# EAGLE board RedBoard-GiantPanel-v21 (EAGLE 6.5.0), part 4 of 4
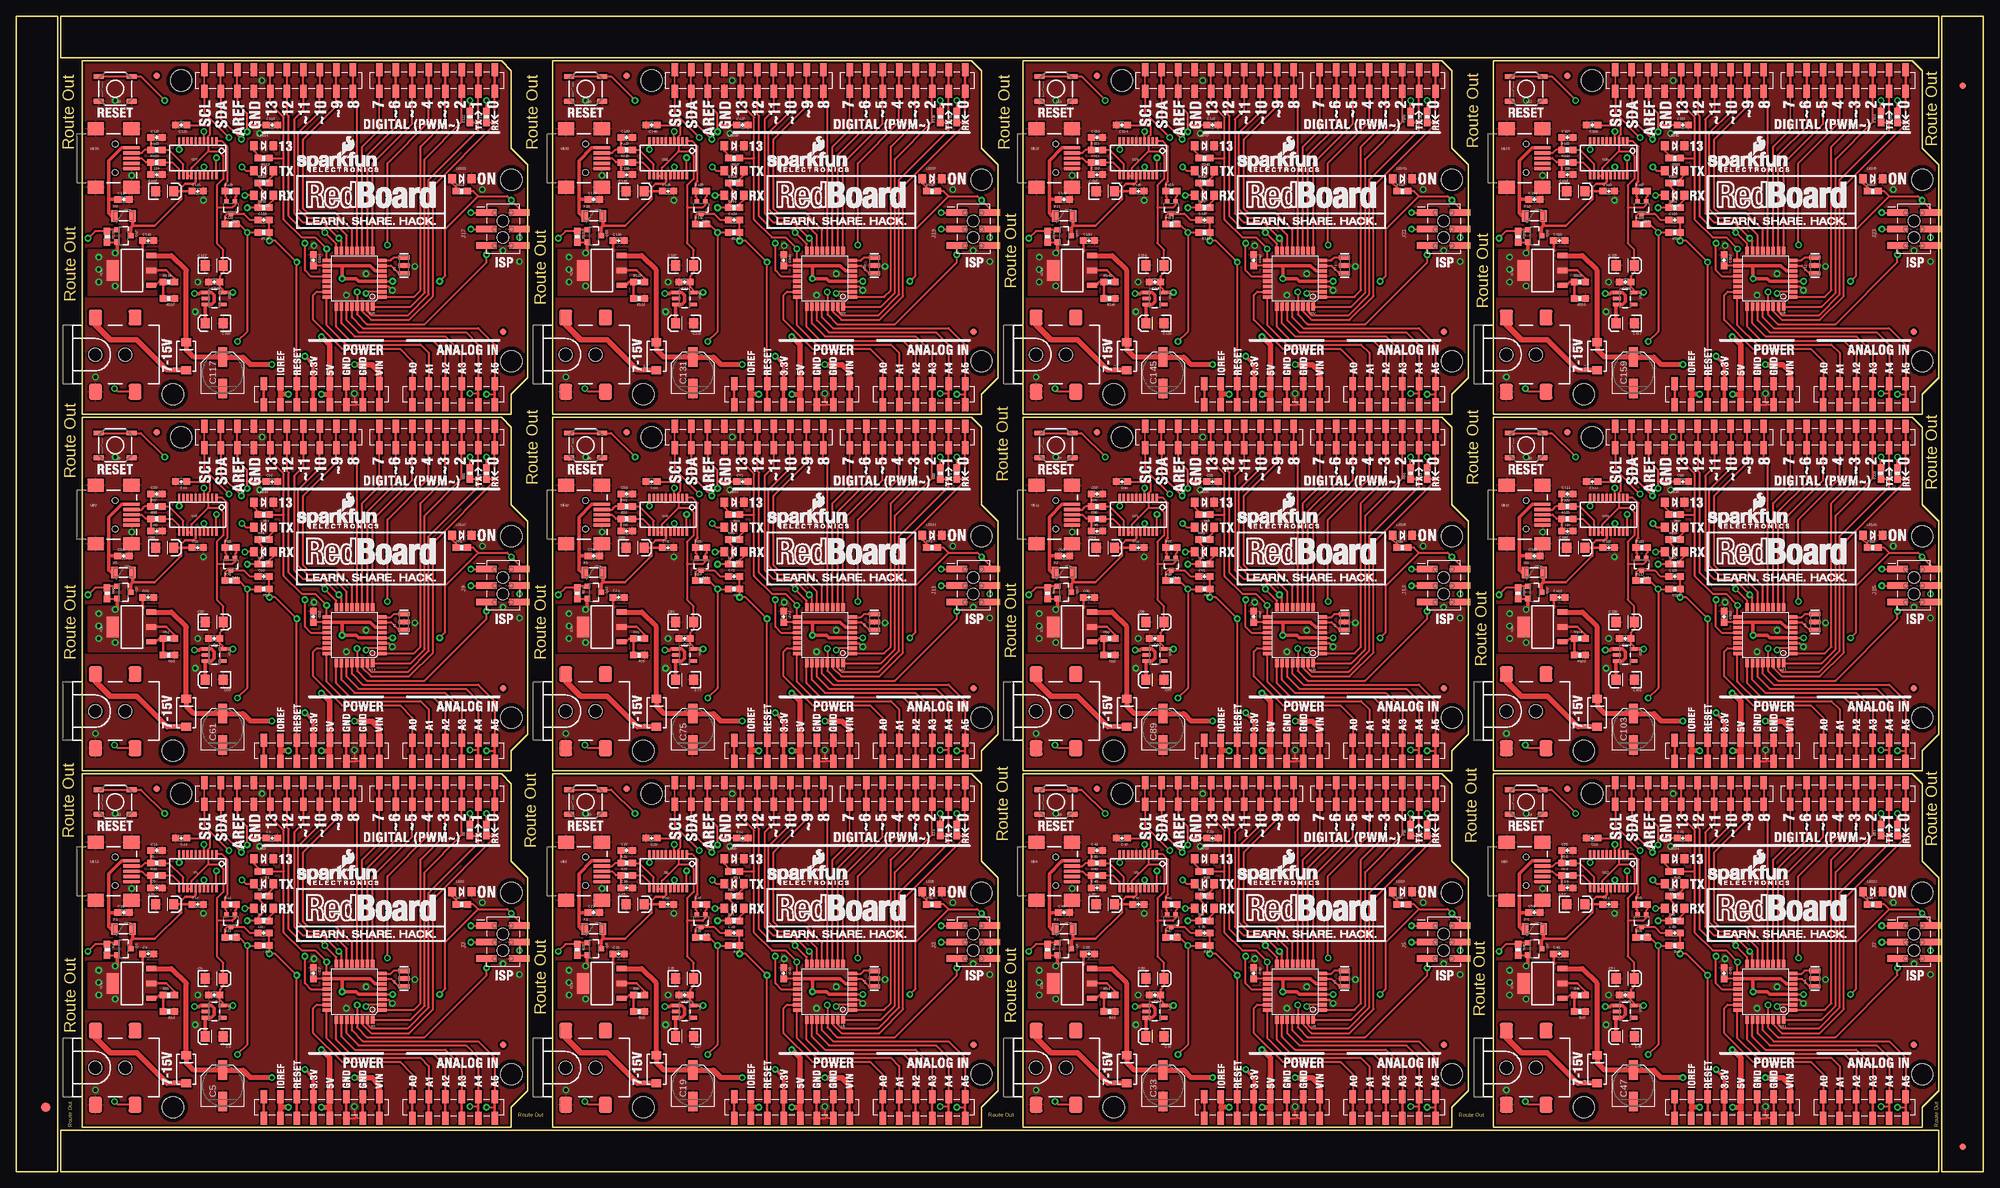
[diagram p0: board, top side]
## Tracks (layer width: path | path; a pad name or v marks a point on that pad's centre or on a via) (continued)
PWRIN3
  Top 0.762: D4.A 240.4,13.6 235.71,18.29
  Top 0.813: 235.71,18.29 231.65,18.29 229.36,20.57 J8.VIN0
PWRIN4
  Top 0.762: D5.A 23.23,68.46 18.54,73.15
  Top 0.813: 18.54,73.15 14.48,73.15 12.19,75.44 J10.VIN0
PWRIN5
  Top 0.762: D6.A 95.62,68.46 90.93,73.15
  Top 0.813: 90.93,73.15 86.87,73.15 84.58,75.44 J12.VIN0
PWRIN6
  Top 0.762: D7.A 168.01,68.46 163.32,73.15
  Top 0.813: 163.32,73.15 159.26,73.15 156.97,75.44 J14.VIN0
PWRIN7
  Top 0.762: D8.A 240.4,68.46 235.71,73.15
  Top 0.813: 235.71,73.15 231.65,73.15 229.36,75.44 J16.VIN0
PWRIN8
  Top 0.762: D9.A 23.23,123.33 18.54,128.02
  Top 0.813: 18.54,128.02 14.48,128.02 12.19,130.3 J18.VIN0
PWRIN9
  Top 0.762: D10.A 95.62,123.33 90.93,128.02
  Top 0.813: 90.93,128.02 86.87,128.02 84.58,130.3 J20.VIN0
PWRIN10
  Top 0.762: D11.A 168.01,123.33 163.32,128.02
  Top 0.813: 163.32,128.02 159.26,128.02 156.97,130.3 J22.VIN0
PWRIN11
  Top 0.762: D12.A 240.4,123.33 235.71,128.02
  Top 0.813: 235.71,128.02 231.65,128.02 229.36,130.3 J24.VIN0
RESET  (via drill 0.51)
  Top 0.305: v52.47,25.64 U3.29 52.47,22.21 53.98,20.7 62.87,20.7 72.39,30.23 v72.39,31.37 J2.5 73.15,32.77 | S1.4 S1.3 19.18,58.8 v22.86,55.12 | 43.18,8.26 JP10.6 v43.18,30.23 39.88,33.53 v38.95,33.53 R3.1 C8.2
  Bottom 0.305: v52.47,25.64 52.47,28.56 50.8,30.23 v43.18,30.23 | v22.86,55.12 22.86,43.69 33.02,33.53 v38.95,33.53 | TP6.P$1 72.9,32.77 72.39,32.26 v72.39,31.37
RESET1  (via drill 0.51)
  Top 0.305: v124.86,25.64 U5.29 124.86,22.21 126.36,20.7 135.25,20.7 144.78,30.23 v144.78,31.37 J3.5 145.54,32.77 | S2.4 S2.3 91.57,58.8 v95.25,55.12 | 115.57,8.26 JP18.6 v115.57,30.23 112.27,33.53 v111.34,33.53 R17.1 C21.2
  Bottom 0.305: v124.86,25.64 124.86,28.56 123.19,30.23 v115.57,30.23 | v95.25,55.12 95.25,43.69 105.41,33.53 v111.34,33.53 | TP12.P$1 145.29,32.77 144.78,32.26 v144.78,31.37
RESET2  (via drill 0.51)
  Top 0.305: v197.25,25.64 U8.29 197.25,22.21 198.75,20.7 207.65,20.7 217.17,30.23 v217.17,31.37 J5.5 217.93,32.77 | S3.4 S3.3 163.96,58.8 v167.64,55.12 | 187.96,8.26 JP28.6 v187.96,30.23 184.66,33.53 v183.73,33.53 R31.1 C35.2
  Bottom 0.305: v197.25,25.64 197.25,28.56 195.58,30.23 v187.96,30.23 | v167.64,55.12 167.64,43.69 177.8,33.53 v183.73,33.53 | TP18.P$1 217.68,32.77 217.17,32.26 v217.17,31.37
RESET3  (via drill 0.51)
  Top 0.305: v269.64,25.64 U11.29 269.64,22.21 271.14,20.7 280.04,20.7 289.56,30.23 v289.56,31.37 J7.5 290.32,32.77 | S4.4 S4.3 236.35,58.8 v240.03,55.12 | 260.35,8.26 JP38.6 v260.35,30.23 257.05,33.53 v256.12,33.53 R45.1 C49.2
  Bottom 0.305: v269.64,25.64 269.64,28.56 267.97,30.23 v260.35,30.23 | v240.03,55.12 240.03,43.69 250.19,33.53 v256.12,33.53 | TP24.P$1 290.07,32.77 289.56,32.26 v289.56,31.37
RESET4  (via drill 0.51)
  Top 0.305: v52.47,80.5 U14.29 52.47,77.07 53.98,75.56 62.87,75.56 72.39,85.09 v72.39,86.23 J9.5 73.15,87.63 | S5.4 S5.3 19.18,113.67 v22.86,109.98 | 43.18,63.12 JP48.6 v43.18,85.09 39.88,88.39 v38.95,88.39 R59.1 C63.2
  Bottom 0.305: v52.47,80.5 52.47,83.42 50.8,85.09 v43.18,85.09 | v22.86,109.98 22.86,98.55 33.02,88.39 v38.95,88.39 | TP30.P$1 72.9,87.63 72.39,87.12 v72.39,86.23
RESET5  (via drill 0.51)
  Top 0.305: v124.86,80.5 U17.29 124.86,77.07 126.36,75.56 135.25,75.56 144.78,85.09 v144.78,86.23 J11.5 145.54,87.63 | S6.4 S6.3 91.57,113.67 v95.25,109.98 | 115.57,63.12 JP58.6 v115.57,85.09 112.27,88.39 v111.34,88.39 R73.1 C77.2
  Bottom 0.305: v124.86,80.5 124.86,83.42 123.19,85.09 v115.57,85.09 | v95.25,109.98 95.25,98.55 105.41,88.39 v111.34,88.39 | TP36.P$1 145.29,87.63 144.78,87.12 v144.78,86.23
RESET6  (via drill 0.51)
  Top 0.305: v197.25,80.5 U20.29 197.25,77.07 198.75,75.56 207.65,75.56 217.17,85.09 v217.17,86.23 J13.5 217.93,87.63 | S7.4 S7.3 163.96,113.67 v167.64,109.98 | 187.96,63.12 JP68.6 v187.96,85.09 184.66,88.39 v183.73,88.39 R87.1 C91.2
  Bottom 0.305: v197.25,80.5 197.25,83.42 195.58,85.09 v187.96,85.09 | v167.64,109.98 167.64,98.55 177.8,88.39 v183.73,88.39 | TP42.P$1 217.68,87.63 217.17,87.12 v217.17,86.23
RESET7  (via drill 0.51)
  Top 0.305: v269.64,80.5 U23.29 269.64,77.07 271.14,75.56 280.04,75.56 289.56,85.09 v289.56,86.23 J15.5 290.32,87.63 | S8.4 S8.3 236.35,113.67 v240.03,109.98 | 260.35,63.12 JP78.6 v260.35,85.09 257.05,88.39 v256.12,88.39 R101.1 C105.2
  Bottom 0.305: v269.64,80.5 269.64,83.42 267.97,85.09 v260.35,85.09 | v240.03,109.98 240.03,98.55 250.19,88.39 v256.12,88.39 | TP48.P$1 290.07,87.63 289.56,87.12 v289.56,86.23
RESET8  (via drill 0.51)
  Top 0.305: v52.47,135.36 U26.29 52.47,131.93 53.98,130.43 62.87,130.43 72.39,139.95 v72.39,141.1 J17.5 73.15,142.49 | S9.4 S9.3 19.18,168.53 v22.86,164.85 | 43.18,117.98 JP88.6 v43.18,139.95 39.88,143.26 v38.95,143.26 R115.1 C119.2
  Bottom 0.305: v52.47,135.36 52.47,138.28 50.8,139.95 v43.18,139.95 | v22.86,164.85 22.86,153.42 33.02,143.26 v38.95,143.26 | TP54.P$1 72.9,142.49 72.39,141.99 v72.39,141.1
RESET9  (via drill 0.51)
  Top 0.305: v124.86,135.36 U29.29 124.86,131.93 126.36,130.43 135.25,130.43 144.78,139.95 v144.78,141.1 J19.5 145.54,142.49 | S10.4 S10.3 91.57,168.53 v95.25,164.85 | 115.57,117.98 JP98.6 v115.57,139.95 112.27,143.26 v111.34,143.26 R129.1 C133.2
  Bottom 0.305: v124.86,135.36 124.86,138.28 123.19,139.95 v115.57,139.95 | v95.25,164.85 95.25,153.42 105.41,143.26 v111.34,143.26 | TP60.P$1 145.29,142.49 144.78,141.99 v144.78,141.1
RESET10  (via drill 0.51)
  Top 0.305: v197.25,135.36 U32.29 197.25,131.93 198.75,130.43 207.65,130.43 217.17,139.95 v217.17,141.1 J21.5 217.93,142.49 | S11.4 S11.3 163.96,168.53 v167.64,164.85 | 187.96,117.98 JP108.6 v187.96,139.95 184.66,143.26 v183.73,143.26 R143.1 C147.2
  Bottom 0.305: v197.25,135.36 197.25,138.28 195.58,139.95 v187.96,139.95 | v167.64,164.85 167.64,153.42 177.8,143.26 v183.73,143.26 | TP66.P$1 217.68,142.49 217.17,141.99 v217.17,141.1
RESET11  (via drill 0.51)
  Top 0.305: v269.64,135.36 U35.29 269.64,131.93 271.14,130.43 280.04,130.43 289.56,139.95 v289.56,141.1 J23.5 290.32,142.49 | S12.4 S12.3 236.35,168.53 v240.03,164.85 | 260.35,117.98 JP118.6 v260.35,139.95 257.05,143.26 v256.12,143.26 R157.1 C161.2
  Bottom 0.305: v269.64,135.36 269.64,138.28 267.97,139.95 v260.35,139.95 | v240.03,164.85 240.03,153.42 250.19,143.26 v256.12,143.26 | TP72.P$1 290.07,142.49 289.56,141.99 v289.56,141.1
RX-I
  Top 0.254: 73.66,53.72 73.67,53.74
  Top 0.305: 73.66,51.69 73.66,51.44 64.14,41.91 64.14,25.02 60.45,21.34 54.61,21.34 53.27,22.68 U3.30 | 73.66,51.69 73.66,53.72 IOL.1 | R8.1 73.62,51.73 73.66,51.69
RX-I1
  Top 0.254: 146.05,53.72 146.06,53.74
  Top 0.305: 146.05,51.69 146.05,51.44 136.53,41.91 136.53,25.02 132.84,21.34 127,21.34 125.66,22.68 U5.30 | 146.05,51.69 146.05,53.72 IOL1.1 | R23.1 146.01,51.73 146.05,51.69
RX-I2
  Top 0.254: 218.44,53.72 218.46,53.74
  Top 0.305: 218.44,51.69 218.44,51.44 208.91,41.91 208.91,25.02 205.23,21.34 199.39,21.34 198.05,22.68 U8.30 | 218.44,51.69 218.44,53.72 IOL2.1 | R37.1 218.4,51.73 218.44,51.69
RX-I3
  Top 0.254: 290.83,53.72 290.85,53.74
  Top 0.305: 290.83,51.69 290.83,51.44 281.31,41.91 281.31,25.02 277.62,21.34 271.78,21.34 270.44,22.68 U11.30 | 290.83,51.69 290.83,53.72 IOL3.1 | R51.1 290.79,51.73 290.83,51.69
RX-I4
  Top 0.254: 73.66,108.58 73.67,108.6
  Top 0.305: 73.66,106.55 73.66,106.3 64.14,96.77 64.14,79.88 60.45,76.2 54.61,76.2 53.27,77.54 U14.30 | 73.66,106.55 73.66,108.58 IOL4.1 | R65.1 73.62,106.59 73.66,106.55
RX-I5
  Top 0.254: 146.05,108.58 146.06,108.6
  Top 0.305: 146.05,106.55 146.05,106.3 136.53,96.77 136.53,79.88 132.84,76.2 127,76.2 125.66,77.54 U17.30 | 146.05,106.55 146.05,108.58 IOL5.1 | R79.1 146.01,106.59 146.05,106.55
RX-I6
  Top 0.254: 218.44,108.58 218.46,108.6
  Top 0.305: 218.44,106.55 218.44,106.3 208.91,96.77 208.91,79.88 205.23,76.2 199.39,76.2 198.05,77.54 U20.30 | 218.44,106.55 218.44,108.58 IOL6.1 | R93.1 218.4,106.59 218.44,106.55
RX-I7
  Top 0.254: 290.83,108.58 290.85,108.6
  Top 0.305: 290.83,106.55 290.83,106.3 281.31,96.77 281.31,79.88 277.62,76.2 271.78,76.2 270.44,77.54 U23.30 | 290.83,106.55 290.83,108.58 IOL7.1 | R107.1 290.79,106.59 290.83,106.55
RX-I8
  Top 0.254: 73.66,163.45 73.67,163.46
  Top 0.305: 73.66,161.42 73.66,161.16 64.14,151.64 64.14,134.75 60.45,131.06 54.61,131.06 53.27,132.4 U26.30 | 73.66,161.42 73.66,163.45 IOL8.1 | R121.1 73.62,161.46 73.66,161.42
RX-I9
  Top 0.254: 146.05,163.45 146.06,163.46
  Top 0.305: 146.05,161.42 146.05,161.16 136.53,151.64 136.53,134.75 132.84,131.06 127,131.06 125.66,132.4 U29.30 | 146.05,161.42 146.05,163.45 IOL9.1 | R135.1 146.01,161.46 146.05,161.42
RX-I10
  Top 0.254: 218.44,163.45 218.46,163.46
  Top 0.305: 218.44,161.42 218.44,161.16 208.91,151.64 208.91,134.75 205.23,131.06 199.39,131.06 198.05,132.4 U32.30 | 218.44,161.42 218.44,163.45 IOL10.1 | R149.1 218.4,161.46 218.44,161.42
RX-I11
  Top 0.254: 290.83,163.45 290.85,163.46
  Top 0.305: 290.83,161.42 290.83,161.16 281.31,151.64 281.31,134.75 277.62,131.06 271.78,131.06 270.44,132.4 U35.30 | 290.83,161.42 290.83,163.45 IOL11.1 | R163.1 290.79,161.46 290.83,161.42
RXD  (via drill 0.51)
  Top 0.305: R9.2 v69.85,55.12 | U1.4 v28.89,50.35
  Bottom 0.305: v69.85,55.12 33.66,55.12 v28.89,50.35
RXD1  (via drill 0.51)
  Top 0.305: R24.2 v142.24,55.12 | U6.4 v101.28,50.35
  Bottom 0.305: v142.24,55.12 106.05,55.12 v101.28,50.35
RXD2  (via drill 0.51)
  Top 0.305: R38.2 v214.63,55.12 | U9.4 v173.67,50.35
  Bottom 0.305: v214.63,55.12 178.44,55.12 v173.67,50.35
RXD3  (via drill 0.51)
  Top 0.305: R52.2 v287.02,55.12 | U12.4 v246.06,50.35
  Bottom 0.305: v287.02,55.12 250.82,55.12 v246.06,50.35
RXD4  (via drill 0.51)
  Top 0.305: R66.2 v69.85,109.98 | U15.4 v28.89,105.22
  Bottom 0.305: v69.85,109.98 33.66,109.98 v28.89,105.22
RXD5  (via drill 0.51)
  Top 0.305: R80.2 v142.24,109.98 | U18.4 v101.28,105.22
  Bottom 0.305: v142.24,109.98 106.05,109.98 v101.28,105.22
RXD6  (via drill 0.51)
  Top 0.305: R94.2 v214.63,109.98 | U21.4 v173.67,105.22
  Bottom 0.305: v214.63,109.98 178.44,109.98 v173.67,105.22
RXD7  (via drill 0.51)
  Top 0.305: R108.2 v287.02,109.98 | U24.4 v246.06,105.22
  Bottom 0.305: v287.02,109.98 250.82,109.98 v246.06,105.22
RXD8  (via drill 0.51)
  Top 0.305: R122.2 v69.85,164.85 | U27.4 v28.89,160.08
  Bottom 0.305: v69.85,164.85 33.66,164.85 v28.89,160.08
RXD9  (via drill 0.51)
  Top 0.305: R136.2 v142.24,164.85 | U30.4 v101.28,160.08
  Bottom 0.305: v142.24,164.85 106.05,164.85 v101.28,160.08
RXD10  (via drill 0.51)
  Top 0.305: R150.2 v214.63,164.85 | U33.4 v173.67,160.08
  Bottom 0.305: v214.63,164.85 178.44,164.85 v173.67,160.08
RXD11  (via drill 0.51)
  Top 0.305: R164.2 v287.02,164.85 | U36.4 v246.06,160.08
  Bottom 0.305: v287.02,164.85 250.82,164.85 v246.06,160.08
RXLED  (via drill 0.51)
  Top 0.305: U1.17 v28.89,44.9 | v34.73,44.9 35.31,44.32 LED4.C
  Bottom 0.305: v28.89,44.9 v34.73,44.9
RXLED1  (via drill 0.51)
  Top 0.305: U6.17 v101.28,44.9 | v107.12,44.9 107.7,44.32 LED7.C
  Bottom 0.305: v101.28,44.9 v107.12,44.9
RXLED2  (via drill 0.51)
  Top 0.305: U9.17 v173.67,44.9 | v179.51,44.9 180.09,44.32 LED11.C
  Bottom 0.305: v173.67,44.9 v179.51,44.9
RXLED3  (via drill 0.51)
  Top 0.305: U12.17 v246.06,44.9 | v251.91,44.9 252.48,44.32 LED15.C
  Bottom 0.305: v246.06,44.9 v251.91,44.9
RXLED4  (via drill 0.51)
  Top 0.305: U15.17 v28.89,99.76 | v34.73,99.76 35.31,99.19 LED19.C
  Bottom 0.305: v28.89,99.76 v34.73,99.76
RXLED5  (via drill 0.51)
  Top 0.305: U18.17 v101.28,99.76 | v107.12,99.76 107.7,99.19 LED23.C
  Bottom 0.305: v101.28,99.76 v107.12,99.76
RXLED6  (via drill 0.51)
  Top 0.305: U21.17 v173.67,99.76 | v179.51,99.76 180.09,99.19 LED27.C
  Bottom 0.305: v173.67,99.76 v179.51,99.76
RXLED7  (via drill 0.51)
  Top 0.305: U24.17 v246.06,99.76 | v251.91,99.76 252.48,99.19 LED31.C
  Bottom 0.305: v246.06,99.76 v251.91,99.76
RXLED8  (via drill 0.51)
  Top 0.305: U27.17 v28.89,154.62 | v34.73,154.62 35.31,154.05 LED35.C
  Bottom 0.305: v28.89,154.62 v34.73,154.62
RXLED9  (via drill 0.51)
  Top 0.305: U30.17 v101.28,154.62 | v107.12,154.62 107.7,154.05 LED39.C
  Bottom 0.305: v101.28,154.62 v107.12,154.62
RXLED10  (via drill 0.51)
  Top 0.305: U33.17 v173.67,154.62 | v179.51,154.62 180.09,154.05 LED43.C
  Bottom 0.305: v173.67,154.62 v179.51,154.62
RXLED11  (via drill 0.51)
  Top 0.305: U36.17 v246.06,154.62 | v251.91,154.62 252.48,154.05 LED47.C
  Bottom 0.305: v246.06,154.62 v251.91,154.62
SCK  (via drill 0.51)
  Top 0.305: U3.17 v47.78,32.28 46.02,34.04 43.94,34.04 41.2,36.78 41.2,46.23 | JP2.5A JP2.5B 39.12,54.61 41.2,52.53 41.2,46.23 | R1.1 41.2,46.23 | v69.98,35.31 J2.3
  Bottom 0.305: v47.78,32.28 47.78,33.43 49.66,35.31 v69.98,35.31 TP5.P$1
SCK1  (via drill 0.51)
  Top 0.305: U5.17 v120.17,32.28 118.42,34.04 116.33,34.04 113.59,36.78 113.59,46.23 | JP17.5A JP17.5B 111.51,54.61 113.59,52.53 113.59,46.23 | R13.1 113.59,46.23 | v142.37,35.31 J3.3
  Bottom 0.305: v120.17,32.28 120.17,33.43 122.05,35.31 v142.37,35.31 TP11.P$1
SCK2  (via drill 0.51)
  Top 0.305: U8.17 v192.56,32.28 190.81,34.04 188.72,34.04 185.98,36.78 185.98,46.23 | JP27.5A JP27.5B 183.9,54.61 185.98,52.53 185.98,46.23 | R29.1 185.98,46.23 | v214.76,35.31 J5.3
  Bottom 0.305: v192.56,32.28 192.56,33.43 194.44,35.31 v214.76,35.31 TP17.P$1
SCK3  (via drill 0.51)
  Top 0.305: U11.17 v264.95,32.28 263.19,34.04 261.11,34.04 258.37,36.78 258.37,46.23 | JP37.5A JP37.5B 256.29,54.61 258.37,52.53 258.37,46.23 | R43.1 258.37,46.23 | v287.15,35.31 J7.3
  Bottom 0.305: v264.95,32.28 264.95,33.43 266.83,35.31 v287.15,35.31 TP23.P$1
SCK4  (via drill 0.51)
  Top 0.305: U14.17 v47.78,87.15 46.02,88.9 43.94,88.9 41.2,91.64 41.2,101.09 | JP47.5A JP47.5B 39.12,109.47 41.2,107.39 41.2,101.09 | R57.1 41.2,101.09 | v69.98,90.17 J9.3
  Bottom 0.305: v47.78,87.15 47.78,88.29 49.66,90.17 v69.98,90.17 TP29.P$1
SCK5  (via drill 0.51)
  Top 0.305: U17.17 v120.17,87.15 118.42,88.9 116.33,88.9 113.59,91.64 113.59,101.09 | JP57.5A JP57.5B 111.51,109.47 113.59,107.39 113.59,101.09 | R71.1 113.59,101.09 | v142.37,90.17 J11.3
  Bottom 0.305: v120.17,87.15 120.17,88.29 122.05,90.17 v142.37,90.17 TP35.P$1
SCK6  (via drill 0.51)
  Top 0.305: U20.17 v192.56,87.15 190.81,88.9 188.72,88.9 185.98,91.64 185.98,101.09 | JP67.5A JP67.5B 183.9,109.47 185.98,107.39 185.98,101.09 | R85.1 185.98,101.09 | v214.76,90.17 J13.3
  Bottom 0.305: v192.56,87.15 192.56,88.29 194.44,90.17 v214.76,90.17 TP41.P$1
SCK7  (via drill 0.51)
  Top 0.305: U23.17 v264.95,87.15 263.19,88.9 261.11,88.9 258.37,91.64 258.37,101.09 | JP77.5A JP77.5B 256.29,109.47 258.37,107.39 258.37,101.09 | R99.1 258.37,101.09 | v287.15,90.17 J15.3
  Bottom 0.305: v264.95,87.15 264.95,88.29 266.83,90.17 v287.15,90.17 TP47.P$1
SCK8  (via drill 0.51)
  Top 0.305: U26.17 v47.78,142.01 46.02,143.76 43.94,143.76 41.2,146.51 41.2,155.96 | JP87.5A JP87.5B 39.12,164.34 41.2,162.25 41.2,155.96 | R113.1 41.2,155.96 | v69.98,145.03 J17.3
  Bottom 0.305: v47.78,142.01 47.78,143.15 49.66,145.03 v69.98,145.03 TP53.P$1
SCK9  (via drill 0.51)
  Top 0.305: U29.17 v120.17,142.01 118.42,143.76 116.33,143.76 113.59,146.51 113.59,155.96 | JP97.5A JP97.5B 111.51,164.34 113.59,162.25 113.59,155.96 | R127.1 113.59,155.96 | v142.37,145.03 J19.3
  Bottom 0.305: v120.17,142.01 120.17,143.15 122.05,145.03 v142.37,145.03 TP59.P$1
SCK10  (via drill 0.51)
  Top 0.305: U32.17 v192.56,142.01 190.81,143.76 188.72,143.76 185.98,146.51 185.98,155.96 | JP107.5A JP107.5B 183.9,164.34 185.98,162.25 185.98,155.96 | R141.1 185.98,155.96 | v214.76,145.03 J21.3
  Bottom 0.305: v192.56,142.01 192.56,143.15 194.44,145.03 v214.76,145.03 TP65.P$1
SCK11  (via drill 0.51)
  Top 0.305: U35.17 v264.95,142.01 263.19,143.76 261.11,143.76 258.37,146.51 258.37,155.96 | JP117.5A JP117.5B 256.29,164.34 258.37,162.25 258.37,155.96 | R155.1 258.37,155.96 | v287.15,145.03 J23.3
  Bottom 0.305: v264.95,142.01 264.95,143.15 266.83,145.03 v287.15,145.03 TP71.P$1
SS
  Top 0.305: U3.14 50.87,34.35 48.26,36.96 44.83,36.96 43.43,38.35 43.43,50.11 46.74,53.41 JP2.8B JP2.8A
SS1
  Top 0.305: U5.14 123.26,34.35 120.65,36.96 117.22,36.96 115.82,38.35 115.82,50.11 119.13,53.41 JP17.8B JP17.8A
SS2
  Top 0.305: U8.14 195.65,34.35 193.04,36.96 189.61,36.96 188.21,38.35 188.21,50.11 191.52,53.41 JP27.8B JP27.8A
SS3
  Top 0.305: U11.14 268.04,34.35 265.43,36.96 262,36.96 260.6,38.35 260.6,50.11 263.91,53.41 JP37.8B JP37.8A
SS4
  Top 0.305: U14.14 50.87,89.21 48.26,91.82 44.83,91.82 43.43,93.22 43.43,104.97 46.74,108.27 JP47.8B JP47.8A
SS5
  Top 0.305: U17.14 123.26,89.21 120.65,91.82 117.22,91.82 115.82,93.22 115.82,104.97 119.13,108.27 JP57.8B JP57.8A
SS6
  Top 0.305: U20.14 195.65,89.21 193.04,91.82 189.61,91.82 188.21,93.22 188.21,104.97 191.52,108.27 JP67.8B JP67.8A
SS7
  Top 0.305: U23.14 268.04,89.21 265.43,91.82 262,91.82 260.6,93.22 260.6,104.97 263.91,108.27 JP77.8B JP77.8A
SS8
  Top 0.305: U26.14 50.87,144.07 48.26,146.69 44.83,146.69 43.43,148.08 43.43,159.84 46.74,163.14 JP87.8B JP87.8A
SS9
  Top 0.305: U29.14 123.26,144.07 120.65,146.69 117.22,146.69 115.82,148.08 115.82,159.84 119.13,163.14 JP97.8B JP97.8A
SS10
  Top 0.305: U32.14 195.65,144.07 193.04,146.69 189.61,146.69 188.21,148.08 188.21,159.84 191.52,163.14 JP107.8B JP107.8A
SS11
  Top 0.305: U35.14 268.04,144.07 265.43,146.69 262,146.69 260.6,148.08 260.6,159.84 263.91,163.14 JP117.8B JP117.8A
TX-O
  Top 0.254: 71.12,53.72 71.11,53.74
  Top 0.305: U3.31 54.07,22.64 54.61,22.1 60.33,22.1 63.5,25.27 63.5,42.93 71.12,50.55 71.12,51.69 | 71.12,51.69 71.12,53.72 IOL.2 | R9.1 71.08,51.73 71.12,51.69
TX-O1
  Top 0.254: 143.51,53.72 143.5,53.74
  Top 0.305: U5.31 126.46,22.64 127,22.1 132.72,22.1 135.89,25.27 135.89,42.93 143.51,50.55 143.51,51.69 | 143.51,51.69 143.51,53.72 IOL1.2 | R24.1 143.47,51.73 143.51,51.69
TX-O2
  Top 0.254: 215.9,53.72 215.88,53.74
  Top 0.305: U8.31 198.85,22.64 199.39,22.1 205.1,22.1 208.28,25.27 208.28,42.93 215.9,50.55 215.9,51.69 | 215.9,51.69 215.9,53.72 IOL2.2 | R38.1 215.86,51.73 215.9,51.69
TX-O3
  Top 0.254: 288.29,53.72 288.27,53.74
  Top 0.305: U11.31 271.24,22.64 271.78,22.1 277.5,22.1 280.67,25.27 280.67,42.93 288.29,50.55 288.29,51.69 | 288.29,51.69 288.29,53.72 IOL3.2 | R52.1 288.25,51.73 288.29,51.69
TX-O4
  Top 0.254: 71.12,108.58 71.11,108.6
  Top 0.305: U14.31 54.07,77.5 54.61,76.96 60.33,76.96 63.5,80.14 63.5,97.79 71.12,105.41 71.12,106.55 | 71.12,106.55 71.12,108.58 IOL4.2 | R66.1 71.08,106.59 71.12,106.55
TX-O5
  Top 0.254: 143.51,108.58 143.5,108.6
  Top 0.305: U17.31 126.46,77.5 127,76.96 132.72,76.96 135.89,80.14 135.89,97.79 143.51,105.41 143.51,106.55 | 143.51,106.55 143.51,108.58 IOL5.2 | R80.1 143.47,106.59 143.51,106.55
TX-O6
  Top 0.254: 215.9,108.58 215.88,108.6
  Top 0.305: U20.31 198.85,77.5 199.39,76.96 205.1,76.96 208.28,80.14 208.28,97.79 215.9,105.41 215.9,106.55 | 215.9,106.55 215.9,108.58 IOL6.2 | R94.1 215.86,106.59 215.9,106.55
TX-O7
  Top 0.254: 288.29,108.58 288.27,108.6
  Top 0.305: U23.31 271.24,77.5 271.78,76.96 277.5,76.96 280.67,80.14 280.67,97.79 288.29,105.41 288.29,106.55 | 288.29,106.55 288.29,108.58 IOL7.2 | R108.1 288.25,106.59 288.29,106.55
TX-O8
  Top 0.254: 71.12,163.45 71.11,163.46
  Top 0.305: U26.31 54.07,132.37 54.61,131.83 60.33,131.83 63.5,135 63.5,152.65 71.12,160.27 71.12,161.42 | 71.12,161.42 71.12,163.45 IOL8.2 | R122.1 71.08,161.46 71.12,161.42
TX-O9
  Top 0.254: 143.51,163.45 143.5,163.46
  Top 0.305: U29.31 126.46,132.37 127,131.83 132.72,131.83 135.89,135 135.89,152.65 143.51,160.27 143.51,161.42 | 143.51,161.42 143.51,163.45 IOL9.2 | R136.1 143.47,161.46 143.51,161.42
TX-O10
  Top 0.254: 215.9,163.45 215.88,163.46
  Top 0.305: U32.31 198.85,132.37 199.39,131.83 205.1,131.83 208.28,135 208.28,152.65 215.9,160.27 215.9,161.42 | 215.9,161.42 215.9,163.45 IOL10.2 | R150.1 215.86,161.46 215.9,161.42
TX-O11
  Top 0.254: 288.29,163.45 288.27,163.46
  Top 0.305: U35.31 271.24,132.37 271.78,131.83 277.5,131.83 280.67,135 280.67,152.65 288.29,160.27 288.29,161.42 | 288.29,161.42 288.29,163.45 IOL11.2 | R164.1 288.25,161.46 288.29,161.42
TXD  (via drill 0.51)
  Top 0.305: R8.2 v72.39,55.12 | U1.20 v30.8,46.29
  Bottom 0.305: v72.39,55.12 71.12,53.85 33.43,53.85 30.8,51.22 v30.8,46.29
TXD1  (via drill 0.51)
  Top 0.305: R23.2 v144.78,55.12 | U6.20 v103.19,46.29
  Bottom 0.305: v144.78,55.12 143.51,53.85 105.82,53.85 103.19,51.22 v103.19,46.29
TXD2  (via drill 0.51)
  Top 0.305: R37.2 v217.17,55.12 | U9.20 v175.58,46.29
  Bottom 0.305: v217.17,55.12 215.9,53.85 178.21,53.85 175.58,51.22 v175.58,46.29
TXD3  (via drill 0.51)
  Top 0.305: R51.2 v289.56,55.12 | U12.20 v247.97,46.29
  Bottom 0.305: v289.56,55.12 288.29,53.85 250.6,53.85 247.97,51.22 v247.97,46.29
TXD4  (via drill 0.51)
  Top 0.305: R65.2 v72.39,109.98 | U15.20 v30.8,101.16
  Bottom 0.305: v72.39,109.98 71.12,108.71 33.43,108.71 30.8,106.08 v30.8,101.16
TXD5  (via drill 0.51)
  Top 0.305: R79.2 v144.78,109.98 | U18.20 v103.19,101.16
  Bottom 0.305: v144.78,109.98 143.51,108.71 105.82,108.71 103.19,106.08 v103.19,101.16
TXD6  (via drill 0.51)
  Top 0.305: R93.2 v217.17,109.98 | U21.20 v175.58,101.16
  Bottom 0.305: v217.17,109.98 215.9,108.71 178.21,108.71 175.58,106.08 v175.58,101.16
TXD7  (via drill 0.51)
  Top 0.305: R107.2 v289.56,109.98 | U24.20 v247.97,101.16
  Bottom 0.305: v289.56,109.98 288.29,108.71 250.6,108.71 247.97,106.08 v247.97,101.16
TXD8  (via drill 0.51)
  Top 0.305: R121.2 v72.39,164.85 | U27.20 v30.8,156.02
  Bottom 0.305: v72.39,164.85 71.12,163.58 33.43,163.58 30.8,160.95 v30.8,156.02
TXD9  (via drill 0.51)
  Top 0.305: R135.2 v144.78,164.85 | U30.20 v103.19,156.02
  Bottom 0.305: v144.78,164.85 143.51,163.58 105.82,163.58 103.19,160.95 v103.19,156.02
TXD10  (via drill 0.51)
  Top 0.305: R149.2 v217.17,164.85 | U33.20 v175.58,156.02
  Bottom 0.305: v217.17,164.85 215.9,163.58 178.21,163.58 175.58,160.95 v175.58,156.02
TXD11  (via drill 0.51)
  Top 0.305: R163.2 v289.56,164.85 | U36.20 v247.97,156.02
  Bottom 0.305: v289.56,164.85 288.29,163.58 250.6,163.58 247.97,160.95 v247.97,156.02
TXLED  (via drill 0.51)
  Top 0.305: U1.10 v25.08,47.56 | LED3.C v35.18,40.51
  Bottom 0.305: v25.08,47.56 25.08,46.55 29.21,42.42 33.27,42.42 v35.18,40.51
TXLED1  (via drill 0.51)
  Top 0.305: U6.10 v97.47,47.56 | LED8.C v107.57,40.51
  Bottom 0.305: v97.47,47.56 97.47,46.55 101.6,42.42 105.66,42.42 v107.57,40.51
TXLED2  (via drill 0.51)
  Top 0.305: U9.10 v169.86,47.56 | LED12.C v179.96,40.51
  Bottom 0.305: v169.86,47.56 169.86,46.55 173.99,42.42 178.05,42.42 v179.96,40.51
TXLED3  (via drill 0.51)
  Top 0.305: U12.10 v242.25,47.56 | LED16.C v252.35,40.51
  Bottom 0.305: v242.25,47.56 242.25,46.55 246.38,42.42 250.44,42.42 v252.35,40.51
TXLED4  (via drill 0.51)
  Top 0.305: U15.10 v25.08,102.42 | LED20.C v35.18,95.38
  Bottom 0.305: v25.08,102.42 25.08,101.41 29.21,97.28 33.27,97.28 v35.18,95.38
TXLED5  (via drill 0.51)
  Top 0.305: U18.10 v97.47,102.42 | LED24.C v107.57,95.38
  Bottom 0.305: v97.47,102.42 97.47,101.41 101.6,97.28 105.66,97.28 v107.57,95.38
TXLED6  (via drill 0.51)
  Top 0.305: U21.10 v169.86,102.42 | LED28.C v179.96,95.38
  Bottom 0.305: v169.86,102.42 169.86,101.41 173.99,97.28 178.05,97.28 v179.96,95.38
TXLED7  (via drill 0.51)
  Top 0.305: U24.10 v242.25,102.42 | LED32.C v252.35,95.38
  Bottom 0.305: v242.25,102.42 242.25,101.41 246.38,97.28 250.44,97.28 v252.35,95.38
TXLED8  (via drill 0.51)
  Top 0.305: U27.10 v25.08,157.29 | LED36.C v35.18,150.24
  Bottom 0.305: v25.08,157.29 25.08,156.27 29.21,152.15 33.27,152.15 v35.18,150.24
TXLED9  (via drill 0.51)
  Top 0.305: U30.10 v97.47,157.29 | LED40.C v107.57,150.24
  Bottom 0.305: v97.47,157.29 97.47,156.27 101.6,152.15 105.66,152.15 v107.57,150.24
TXLED10  (via drill 0.51)
  Top 0.305: U33.10 v169.86,157.29 | LED44.C v179.96,150.24
  Bottom 0.305: v169.86,157.29 169.86,156.27 173.99,152.15 178.05,152.15 v179.96,150.24
TXLED11  (via drill 0.51)
  Top 0.305: U36.10 v242.25,157.29 | LED48.C v252.35,150.24
  Bottom 0.305: v242.25,157.29 242.25,156.27 246.38,152.15 250.44,152.15 v252.35,150.24
USBVCC
  Top 0.356: C15.A 25.4,41.15 | U1.15 27.62,42.61 27.3,42.29 26.04,42.29 25.4,41.66 25.4,41.15 | C12.1 25.4,41.15 | 17.91,35.82 21.34,35.82 25.4,39.88 25.4,41.15
  Top 0.508: F1.2 17.91,35.82 17.61,35.52 Q1.3
USBVCC1
  Top 0.356: C24.A 97.79,41.15 | U6.15 100.01,42.61 99.69,42.29 98.42,42.29 97.79,41.66 97.79,41.15 | C23.1 97.79,41.15 | 90.3,35.82 93.73,35.82 97.79,39.88 97.79,41.15
  Top 0.508: F2.2 90.3,35.82 90,35.52 Q3.3
USBVCC2
  Top 0.356: C38.A 170.18,41.15 | U9.15 172.4,42.61 172.09,42.29 170.81,42.29 170.18,41.66 170.18,41.15 | C37.1 170.18,41.15 | 162.69,35.82 166.12,35.82 170.18,39.88 170.18,41.15
  Top 0.508: F3.2 162.69,35.82 162.39,35.52 Q5.3
USBVCC3
  Top 0.356: C52.A 242.57,41.15 | U12.15 244.79,42.61 244.47,42.29 243.21,42.29 242.57,41.66 242.57,41.15 | C51.1 242.57,41.15 | 235.08,35.82 238.51,35.82 242.57,39.88 242.57,41.15
  Top 0.508: F4.2 235.08,35.82 234.78,35.52 Q7.3
USBVCC4
  Top 0.356: C66.A 25.4,96.01 | U15.15 27.62,97.47 27.3,97.16 26.04,97.16 25.4,96.52 25.4,96.01 | C65.1 25.4,96.01 | 17.91,90.68 21.34,90.68 25.4,94.74 25.4,96.01
  Top 0.508: F5.2 17.91,90.68 17.61,90.38 Q9.3
USBVCC5
  Top 0.356: C80.A 97.79,96.01 | U18.15 100.01,97.47 99.69,97.16 98.42,97.16 97.79,96.52 97.79,96.01 | C79.1 97.79,96.01 | 90.3,90.68 93.73,90.68 97.79,94.74 97.79,96.01
  Top 0.508: F6.2 90.3,90.68 90,90.38 Q11.3
USBVCC6
  Top 0.356: C94.A 170.18,96.01 | U21.15 172.4,97.47 172.09,97.16 170.81,97.16 170.18,96.52 170.18,96.01 | C93.1 170.18,96.01 | 162.69,90.68 166.12,90.68 170.18,94.74 170.18,96.01
  Top 0.508: F7.2 162.69,90.68 162.39,90.38 Q13.3
USBVCC7
  Top 0.356: C108.A 242.57,96.01 | U24.15 244.79,97.47 244.47,97.16 243.21,97.16 242.57,96.52 242.57,96.01 | C107.1 242.57,96.01 | 235.08,90.68 238.51,90.68 242.57,94.74 242.57,96.01
  Top 0.508: F8.2 235.08,90.68 234.78,90.38 Q15.3
USBVCC8
  Top 0.356: C122.A 25.4,150.88 | U27.15 27.62,152.34 27.3,152.02 26.04,152.02 25.4,151.38 25.4,150.88 | C121.1 25.4,150.88 | 17.91,145.54 21.34,145.54 25.4,149.61 25.4,150.88
  Top 0.508: F9.2 17.91,145.54 17.61,145.25 Q17.3
USBVCC9
  Top 0.356: C136.A 97.79,150.88 | U30.15 100.01,152.34 99.69,152.02 98.42,152.02 97.79,151.38 97.79,150.88 | C135.1 97.79,150.88 | 90.3,145.54 93.73,145.54 97.79,149.61 97.79,150.88
  Top 0.508: F10.2 90.3,145.54 90,145.25 Q19.3
USBVCC10
  Top 0.356: C150.A 170.18,150.88 | U33.15 172.4,152.34 172.09,152.02 170.81,152.02 170.18,151.38 170.18,150.88 | C149.1 170.18,150.88 | 162.69,145.54 166.12,145.54 170.18,149.61 170.18,150.88
  Top 0.508: F11.2 162.69,145.54 162.39,145.25 Q21.3
USBVCC11
  Top 0.356: C164.A 242.57,150.88 | U36.15 244.79,152.34 244.47,152.02 243.21,152.02 242.57,151.38 242.57,150.88 | C163.1 242.57,150.88 | 235.08,145.54 238.51,145.54 242.57,149.61 242.57,150.88
  Top 0.508: F12.2 235.08,145.54 234.78,145.25 Q23.3
VIN  (via drill 0.51)
  Top 0.305: JP10.1 55.88,11.56
  Top 0.762: v39.36,14.46 36.06,14.46 34.92,15.61 C5.+ 27.32,15.61 26.16,16.76 D1.C 26.16,28.96 23.88,31.24 IC3.3
  Top 0.813: v52.06,14.46 54.75,14.46 55.88,13.34 55.88,11.56
  Bottom 0.813: v39.36,14.46 v52.06,14.46
VIN1  (via drill 0.51)
  Top 0.305: JP18.1 128.27,11.56
  Top 0.762: v111.75,14.46 108.45,14.46 107.31,15.61 C19.+ 99.71,15.61 98.55,16.76 D2.C 98.55,28.96 96.27,31.24 IC1.3
  Top 0.813: v124.45,14.46 127.14,14.46 128.27,13.34 128.27,11.56
  Bottom 0.813: v111.75,14.46 v124.45,14.46
VIN2  (via drill 0.51)
  Top 0.305: JP28.1 200.66,11.56
  Top 0.762: v184.14,14.46 180.84,14.46 179.7,15.61 C33.+ 172.1,15.61 170.94,16.76 D3.C 170.94,28.96 168.66,31.24 IC2.3
  Top 0.813: v196.84,14.46 199.53,14.46 200.66,13.34 200.66,11.56
  Bottom 0.813: v184.14,14.46 v196.84,14.46
VIN3  (via drill 0.51)
  Top 0.305: JP38.1 273.05,11.56
  Top 0.762: v256.53,14.46 253.23,14.46 252.09,15.61 C47.+ 244.49,15.61 243.33,16.76 D4.C 243.33,28.96 241.05,31.24 IC4.3
  Top 0.813: v269.23,14.46 271.92,14.46 273.05,13.34 273.05,11.56
  Bottom 0.813: v256.53,14.46 v269.23,14.46
VIN4  (via drill 0.51)
  Top 0.305: JP48.1 55.88,66.42
  Top 0.762: v39.36,69.33 36.06,69.33 34.92,70.47 C61.+ 27.32,70.47 26.16,71.63 D5.C 26.16,83.83 23.88,86.11 IC5.3
  Top 0.813: v52.06,69.33 54.75,69.33 55.88,68.2 55.88,66.42
  Bottom 0.813: v39.36,69.33 v52.06,69.33
VIN5  (via drill 0.51)
  Top 0.305: JP58.1 128.27,66.42
  Top 0.762: v111.75,69.33 108.45,69.33 107.31,70.47 C75.+ 99.71,70.47 98.55,71.63 D6.C 98.55,83.83 96.27,86.11 IC6.3
  Top 0.813: v124.45,69.33 127.14,69.33 128.27,68.2 128.27,66.42
  Bottom 0.813: v111.75,69.33 v124.45,69.33
VIN6  (via drill 0.51)
  Top 0.305: JP68.1 200.66,66.42
  Top 0.762: v184.14,69.33 180.84,69.33 179.7,70.47 C89.+ 172.1,70.47 170.94,71.63 D7.C 170.94,83.83 168.66,86.11 IC7.3
  Top 0.813: v196.84,69.33 199.53,69.33 200.66,68.2 200.66,66.42
  Bottom 0.813: v184.14,69.33 v196.84,69.33
VIN7  (via drill 0.51)
  Top 0.305: JP78.1 273.05,66.42
  Top 0.762: v256.53,69.33 253.23,69.33 252.09,70.47 C103.+ 244.49,70.47 243.33,71.63 D8.C 243.33,83.83 241.05,86.11 IC8.3
  Top 0.813: v269.23,69.33 271.92,69.33 273.05,68.2 273.05,66.42
  Bottom 0.813: v256.53,69.33 v269.23,69.33
VIN8  (via drill 0.51)
  Top 0.305: JP88.1 55.88,121.28
  Top 0.762: v39.36,124.19 36.06,124.19 34.92,125.34 C117.+ 27.32,125.34 26.16,126.49 D9.C 26.16,138.69 23.88,140.97 IC9.3
  Top 0.813: v52.06,124.19 54.75,124.19 55.88,123.06 55.88,121.28
  Bottom 0.813: v39.36,124.19 v52.06,124.19
VIN9  (via drill 0.51)
  Top 0.305: JP98.1 128.27,121.28
  Top 0.762: v111.75,124.19 108.45,124.19 107.31,125.34 C131.+ 99.71,125.34 98.55,126.49 D10.C 98.55,138.69 96.27,140.97 IC10.3
  Top 0.813: v124.45,124.19 127.14,124.19 128.27,123.06 128.27,121.28
  Bottom 0.813: v111.75,124.19 v124.45,124.19
VIN10  (via drill 0.51)
  Top 0.305: JP108.1 200.66,121.28
  Top 0.762: v184.14,124.19 180.84,124.19 179.7,125.34 C145.+ 172.1,125.34 170.94,126.49 D11.C 170.94,138.69 168.66,140.97 IC11.3
  Top 0.813: v196.84,124.19 199.53,124.19 200.66,123.06 200.66,121.28
  Bottom 0.813: v184.14,124.19 v196.84,124.19
VIN11  (via drill 0.51)
  Top 0.305: JP118.1 273.05,121.28
  Top 0.762: v256.53,124.19 253.23,124.19 252.09,125.34 C159.+ 244.49,125.34 243.33,126.49 D12.C 243.33,138.69 241.05,140.97 IC12.3
  Top 0.813: v269.23,124.19 271.92,124.19 273.05,123.06 273.05,121.28
  Bottom 0.813: v256.53,124.19 v269.23,124.19
VUSB
  Top 0.508: 14.22,39.88 14.22,45.85 16.2,47.83 U$13.VBUS | C10.1 14.22,39.88 | 14.22,39.88 14.22,37.72 14.61,37.34 F1.1
VUSB1
  Top 0.508: 86.61,39.88 86.61,45.85 88.59,47.83 U$2.VBUS | C22.1 86.61,39.88 | 86.61,39.88 86.61,37.72 87,37.34 F2.1
VUSB2
  Top 0.508: 159,39.88 159,45.85 160.99,47.83 U$4.VBUS | C36.1 159,39.88 | 159,39.88 159,37.72 159.38,37.34 F3.1
VUSB3
  Top 0.508: 231.39,39.88 231.39,45.85 233.38,47.83 U$6.VBUS | C50.1 231.39,39.88 | 231.39,39.88 231.39,37.72 231.78,37.34 F4.1
VUSB4
  Top 0.508: 14.22,94.74 14.22,100.71 16.2,102.69 U$8.VBUS | C64.1 14.22,94.74 | 14.22,94.74 14.22,92.58 14.61,92.2 F5.1
VUSB5
  Top 0.508: 86.61,94.74 86.61,100.71 88.59,102.69 U$10.VBUS | C78.1 86.61,94.74 | 86.61,94.74 86.61,92.58 87,92.2 F6.1
VUSB6
  Top 0.508: 159,94.74 159,100.71 160.99,102.69 U$12.VBUS | C92.1 159,94.74 | 159,94.74 159,92.58 159.38,92.2 F7.1
VUSB7
  Top 0.508: 231.39,94.74 231.39,100.71 233.38,102.69 U$15.VBUS | C106.1 231.39,94.74 | 231.39,94.74 231.39,92.58 231.78,92.2 F8.1
VUSB8
  Top 0.508: 14.22,149.61 14.22,155.57 16.2,157.56 U$18.VBUS | C120.1 14.22,149.61 | 14.22,149.61 14.22,147.45 14.61,147.07 F9.1
VUSB9
  Top 0.508: 86.61,149.61 86.61,155.57 88.59,157.56 U$20.VBUS | C134.1 86.61,149.61 | 86.61,149.61 86.61,147.45 87,147.07 F10.1
VUSB10
  Top 0.508: 159,149.61 159,155.57 160.99,157.56 U$22.VBUS | C148.1 159,149.61 | 159,149.61 159,147.45 159.38,147.07 F11.1
VUSB11
  Top 0.508: 231.39,149.61 231.39,155.57 233.38,157.56 U$24.VBUS | C162.1 231.39,149.61 | 231.39,149.61 231.39,147.45 231.78,147.07 F12.1

## Text on the board
Bottom: v21 | v21 | v21 | v21 | v21 | v21 | v21 | v21 | v21 | v21 | v21 | v21
Dimension: Route Out | Route Out | Route Out | Route Out | Route Out | Route Out | Route Out | Route Out | Route Out | Route Out | Route Out | Route Out | Route Out | Route Out | Route Out | Route Out | Route Out | Route Out | Route Out | Route Out | Route Out | Route Out | Route Out | Route Out | Route Out | Route Out | Route Out | Route Out | Route Out | Route Out | Route Out | Route Out
bNames: MADE IN | MADE IN | MADE IN | MADE IN | ITALY | ITALY | ITALY | ITALY | MADE IN | MADE IN | MADE IN | MADE IN | ITALY | ITALY | ITALY | ITALY | MADE IN | MADE IN | MADE IN | MADE IN | ITALY | ITALY | ITALY | ITALY
214bmp: D:/SmartProjects/Snc/a4_bn_logo2.bmp